# KiCad board uw-rs485_hat.kicad_pcb
date: 3 feb 2015
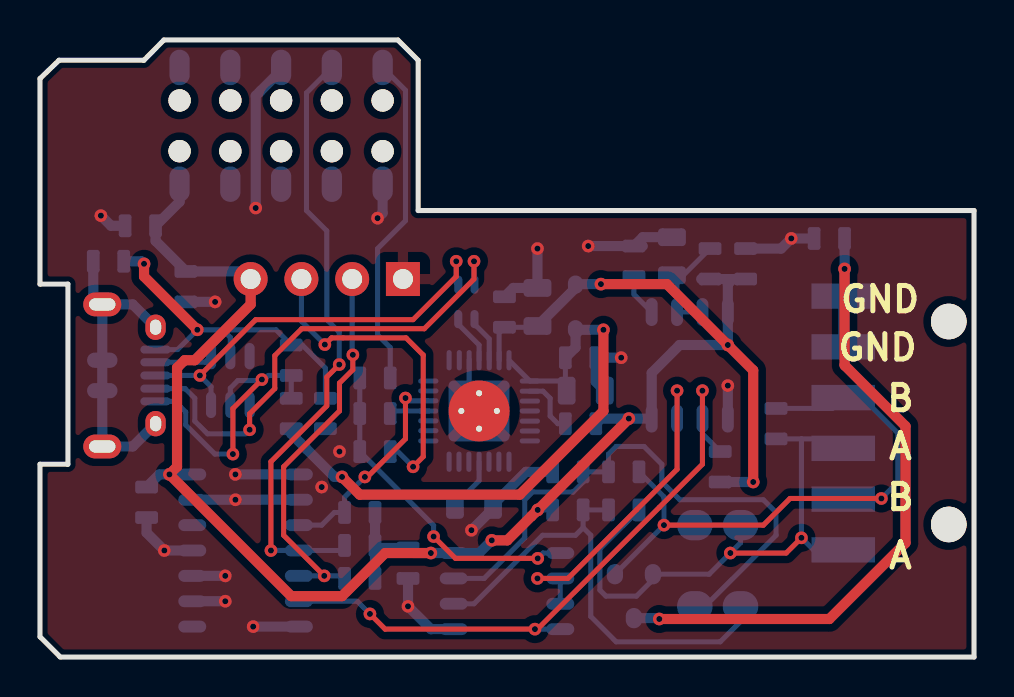
[diagram p0: board, top side]
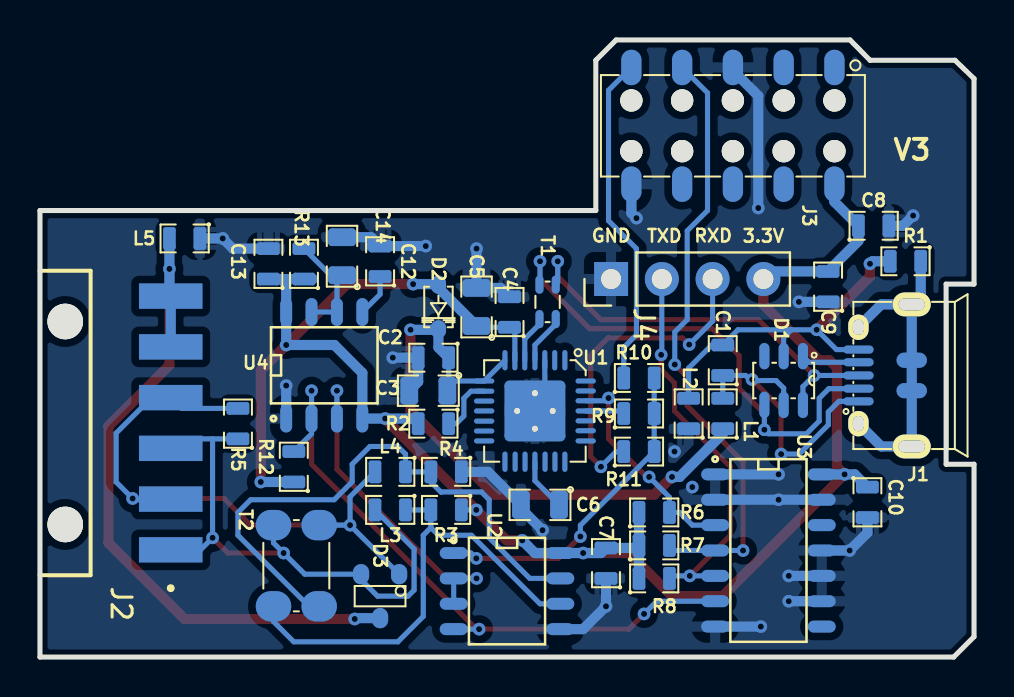
[diagram p1: board, bottom side, seen from below]

Outline 46.74 x 30.89 mm; copper layers: Front, Back. Coordinates in mm from the lower left corner of the outline.
Outline path: 0,28.96 0,18.67 1.4,18.67 1.4,9.65 0,9.65 0,1.02 1.02,0 46.74,0 46.74,22.35 18.92,22.35 18.92,29.88 17.91,30.89 6.2,30.89 5.2,29.88 0.95,29.88 0,28.96

## Placement (name value [footprint] x y rotation side)
C1  22pF/50V  [SM0603C]  12.57 14.86 90 bottom
C2  100nF/50V  [SM0603C]  27.05 14.99 0 bottom
C3  10uF/16V  [SM0805C]  27.3 13.34 0 bottom
C4  100nF/50V  [SM0603C]  23.24 17.27 90 bottom
C5  10uF/16V  [SM0805C]  24.89 17.53 90 bottom
C6  10uF/16V/DNP  [SM0805C]  21.72 7.62 0 bottom
C7  100nF/50V  [SM0603C]  18.42 4.7 90 bottom
C8  100nF/50V  [SM0603C]  5.02 21.59 180 bottom
C9  100nF/50V  [SM0603C]  7.3 18.54 90 bottom
C10  100nF/50V  [SM0603C]  5.33 7.75 270 bottom
C12  100nF/50V  [SM0603C]  29.72 19.81 90 bottom
C13  100nF/50V  [SM0603C]  35.31 19.69 90 bottom
C14  10nF/50V  [SM0805C]  31.62 20.07 90 bottom
D1  TVS_5V  [SOT23-6L]  9.53 13.84 90 bottom
D2  CUS08F30-H3F  [SOD323]  26.8 17.53 90 bottom
D3  SM712  [SOT23-3]  29.72 3.05 90 bottom
J1  USB-Micro  [usb-MicroXNJ]  3.12 14.1 180 bottom
J2  Conn_01x06_Male  [SAMTEC_TSM-106-01-T-SH-A]  45.47 11.72 90 bottom
J3  Raspberry-Pi_2x5-Pin_Header  [con-WR-PHD-61031021821]  12.07 26.59 270 bottom
J4  Conn_01x04  [PinHeader_1x04_P2.54mm_Vertical]  18.16 18.92 90 bottom
L1  Bead_300R  [SM0603L]  12.57 12.19 90 bottom
L2  Bead_300R  [SM0603L]  14.28 12.19 90 bottom
L3  Bead_300R/DNP  [SM0603L]  29.21 7.37 0 bottom
L4  Bead_300R/DNP  [SM0603L]  29.21 9.27 0 bottom
L5  Bead_300R  [SM0603L]  39.5 20.95 0 bottom
R1  10k  [SM0603]  3.43 19.81 0 bottom
R2  4k7  [SM0603]  27.05 11.68 0 bottom
R3  10k  [SM0603]  26.42 7.37 0 bottom
R4  10k  [SM0603]  26.42 9.27 0 bottom
R5  100R  [SM0603]  36.83 11.68 90 bottom
R6  10k  [SM0603]  16 7.24 180 bottom
R7  10k  [SM0603]  16 5.59 180 bottom
R8  10k  [SM0603]  16 3.94 180 bottom
R9  1k  [SM0603]  16.76 12.19 180 bottom
R10  1k  [SM0603]  16.76 13.97 180 bottom
R11  1k  [SM0603]  16.76 10.29 180 bottom
R12  10k  [SM0603]  34.04 9.53 90 bottom
R13  2K  [SM0603]  33.53 19.69 90 bottom
T1  CM_Choke_90R  [tr-smd-WE-CNSW_0805]  21.34 17.78 270 bottom
T2  CM_Choke_51uH  [tr-smd-WE-CNSW_1812]  33.91 4.57 90 bottom
U1  CP2102  [QFN28_5x5_P0.5mm_ppad]  21.97 12.32 0 bottom
U2  TP8485E  [SO8_4x5_P1.27mm]  23.37 3.3 270 bottom
U3  74HC11D  [SO14_4x9_P1.27mm]  10.29 5.33 270 bottom
U4  TLC555IDR  [SO8_4x5_P1.27mm]  32.51 14.6 180 bottom

## Library data of the parts
C1 = -: Digikey: 1276-1023-1-ND; LCSC: C1653; Manufacturer: Samsung; PartNumber: CL10C220JB8NNNC; Power: _; Tolerance: 5%
C2 C4 C7-C10 C12 C13 = -: Digikey: 1276-6854-1-ND; LCSC: C307348; Manufacturer: Samsung; PartNumber: CL10B104KB8WPNC; Power: _; Tolerance: 10%
C3 C5 C6 = -: Digikey: 1276-2872-1-ND; LCSC: C95841; Manufacturer: Samsung; PartNumber: CL21B106KOQNNNE; Power: _; Tolerance: 10%
C14 = -: Power: _; Tolerance: 10%
D1 = -: Digikey: !1727-2751-1-ND; LCSC: C558417; Manufacturer: Tech_Public; PartNumber: TPIP4220CZ6; Power: _; Tolerance: _
D2 = -: Digikey: CUS08F30H3FCT-ND; LCSC: C150183; Manufacturer: Toshiba; Power: 0.8A; Tolerance: _
D3 = -: Digikey: !F6450CT-ND; LCSC: C293966; Manufacturer: DOWO; Power: 400W; Tolerance: _
J1 = -: Digikey: !732-5961-1-ND; LCSC: C404969; Manufacturer: Shou_Han; PartNumber: MicroXNJ; Power: 1.8A; Tolerance: _
J3 = -: Digikey: _; LCSC: C261072; Manufacturer: Boomele; PartNumber: C261072; Power: _; Tolerance: _
J4 = -: Digikey: _; LCSC: C124413; Manufacturer: Ckmtw; PartNumber: B-2200S04P-A120; Power: 3A; Tolerance: _
L1-L5 = -: Digikey: !732-1592-1-ND; LCSC: C139165; Manufacturer: Guangdong_Fenghua_Advanced_Tech; PartNumber: CBM160808U301T; Power: 1.5A; Tolerance: 25%
R1 R3 R4 R6-R8 R12 = -: Digikey: 311-10.0KHRCT-ND; LCSC: C98220; Manufacturer: Yageo; PartNumber: RC0603FR-0710KL; Power: 1/10W; Tolerance: 1%
R2 = -: Digikey: 311-4.70KHRCT-ND; LCSC: C99782; Manufacturer: Yageo; PartNumber: RC0603FR-074K7L; Power: 1/10W; Tolerance: 1%
R5 = -: Digikey: 311-100HRCT-ND; LCSC: C105588; Manufacturer: Yageo; PartNumber: RC0603FR-07100RL; Power: 1/10W; Tolerance: 1%
R9-R11 = -: Digikey: 311-1.00KHRCT-ND; LCSC: C21190; Manufacturer: Uniroyal_Elec; PartNumber: 0603WAF1001T5E; Power: 1/10W; Tolerance: 1%
R13 = -: Power: 1/10W; Tolerance: 1%
T1 = -: Digikey: !732-3198-1-ND; LCSC: C54888; Manufacturer: Sunlord; PartNumber: SDCW2012-2-900TF; Power: 0.37A; Tolerance: _
T2 = -: Digikey: !732-7290-1-ND; LCSC: C369764; Manufacturer: Sunlord; PartNumber: ACW4532B-2-510TF; Power: 0.23A; Tolerance: _
U1 = -: Digikey: 336-1160-1-ND; LCSC: C6568; Manufacturer: Silabs; PartNumber: CP2102-GMR; Power: _; Tolerance: _
U2 = -: Digikey: !MAX485ESA+TCT-ND; LCSC: C94206; Manufacturer: 3Peak; PartNumber: TP8485E-SR; Power: _; Tolerance: _
U3 = -: Digikey: 296-14830-1-ND; LCSC: C7643; Manufacturer: Texas_Instruments; PartNumber: SN74HC11DR; Power: _; Tolerance: _
U4 = -: Digikey: 296-1337-1-ND; LCSC: C6987; Manufacturer: Texas_Instruments; Power: _; Tolerance: _

## Footprints (pads in the part's own frame, mm; a bottom-side part is the same pattern mirrored in y, then rotated)
con-WR-PHD-61031021821
  round 1.118 hole 1.118 unplated: (-1.27,-5.08) (-1.27,-2.54) (-1.27,0) (-1.27,2.54) (-1.27,5.08) (1.27,-5.08) (1.27,-2.54) (1.27,0) (1.27,2.54) (1.27,5.08)
  oval 1.778x1.016 smd: 1(-2.921,5.08) 2(2.921,5.08) 3(-2.921,2.54) 4(2.921,2.54) 5(-2.921,0) 6(2.921,0) 7(-2.921,-2.54) 8(2.921,-2.54) 9(-2.921,-5.08) 10(2.921,-5.08)
PinHeader_1x04_P2.54mm_Vertical
  rect 1.7x1.7 hole 1: 1(0,0)
  oval 1.7x1.7 hole 1: 2(0,-2.54) 3(0,-5.08) 4(0,-7.62)
QFN28_5x5_P0.5mm_ppad
  oval 0.254x1.016 smd: 1(-1.499,-2.54) 2(-0.991,-2.54) 3(-0.495,-2.54) 4(0,-2.54) 5(0.508,-2.54) 6(1.003,-2.54) 7(1.499,-2.54) 15(1.499,2.54) 16(0.991,2.54) 17(0.495,2.54) 18(0,2.54) 19(-0.508,2.54) 20(-1.003,2.54) 21(-1.499,2.54)
  oval 1.016x0.254 smd: 8(2.54,-1.499) 9(2.54,-0.991) 10(2.54,-0.495) 11(2.54,0) 12(2.54,0.508) 13(2.54,1.003) 14(2.54,1.499) 22(-2.54,1.499) 23(-2.54,0.991) 24(-2.54,0.495) 25(-2.54,0) 26(-2.54,-0.508) 27(-2.54,-1.003) 28(-2.54,-1.499)
  rect 0.762x0.762 smd: 29(-0.889,-0.889) 29(-0.889,0.889) 29(0,0) 29(0.889,-0.889) 29(0.889,0.889)
  round 0.61 hole 0.305: 29(-0.889,0) 29(0,-0.889) 29(0,0.889) 29(0.889,0)
  oval 3.048x0.508 smd: 29(0,-1.27) 29(0,1.27)
  rect 3.048x2.54 smd: 29(0,0)
  round 3.048 smd far side: 29(0,0)
SAMTEC_TSM-106-01-T-SH-A
  round 1.78 hole 1.78 unplated: (-5.08,0) (5.08,0)
  rect 1.27x3.18 smd: 1(-6.35,-5.28) 2(-3.81,-5.28) 3(-1.27,-5.28) 4(1.27,-5.28) 5(3.81,-5.28) 6(6.35,-5.28)
SM0603
  oval 0.635x0.254 smd: 1(-0.762,-0.445) 1(-0.762,0.445) 2(0.762,-0.445) 2(0.762,0.445)
  rect 0.635x0.889 smd: 1(-0.762,0) 2(0.762,0)
SM0603C
  oval 0.635x0.254 smd: 1(-0.762,-0.445) 1(-0.762,0.445) 2(0.762,-0.445) 2(0.762,0.445)
  rect 0.635x0.889 smd: 1(-0.762,0) 2(0.762,0)
SM0603L
  oval 0.635x0.254 smd: 1(-0.762,-0.445) 1(-0.762,0.445) 2(0.762,-0.445) 2(0.762,0.445)
  rect 0.635x0.889 smd: 1(-0.762,0) 2(0.762,0)
SM0805C
  oval 0.889x0.381 smd: 1(-0.953,-0.508) 1(-0.953,0.508) 2(0.953,-0.508) 2(0.953,0.508)
  rect 0.889x1.016 smd: 1(-0.953,0) 2(0.953,0)
SO8_4x5_P1.27mm
  oval 0.599x1.4 smd: 1(-1.905,-2.667) 2(-0.635,-2.667) 3(0.635,-2.667) 4(1.905,-2.667) 5(1.905,2.667) 6(0.635,2.667) 7(-0.635,2.667) 8(-1.905,2.667)
SO14_4x9_P1.27mm
  oval 0.599x1.4 smd: 1(-3.81,-2.667) 2(-2.54,-2.667) 3(-1.27,-2.667) 4(0,-2.667) 5(1.27,-2.667) 6(2.54,-2.667) 7(3.81,-2.667) 8(3.81,2.667) 9(2.54,2.667) 10(1.27,2.667) 11(0,2.667) 12(-1.27,2.667) 13(-2.54,2.667) 14(-3.81,2.667)
SOD323
  oval 0.914x0.762 smd: 1(1.118,0) 2(-1.118,0)
SOT23-3
  oval 1.016x0.813 smd: 1(1.1,-0.953) 2(1.1,0.953) 3(-1.1,0)
SOT23-6L
  oval 1.321x0.508 smd: 1(1.219,-0.965) 2(1.219,0) 3(1.219,0.965) 4(-1.219,0.965) 5(-1.219,0) 6(-1.219,-0.965)
tr-smd-WE-CNSW_0805
  oval 0.914x0.406 smd: 1(-0.864,0.406) 2(0.864,0.406) 3(0.864,-0.406) 4(-0.864,-0.406)
tr-smd-WE-CNSW_1812
  oval 1.524x1.778 smd: 1(-2.032,1.143) 2(2.032,1.143) 3(2.032,-1.143) 4(-2.032,-1.143)
usb-MicroXNJ
  oval 1.524x0.406 smd: 1(-2.667,-1.295) 2(-2.667,-0.66) 3(-2.667,0) 4(-2.667,0.66) 5(-2.667,1.295)
  oval 1.016x1.27 hole 0.559x0.762: 6(-2.667,-2.413) 6(-2.667,2.413)
  oval 1.905x1.194 hole 1.321x0.61: 6(0,-3.556) 6(0,3.556)
  oval 1.524x0.762 smd: 6(0,-0.762) 6(0,0.762)

## Nets
+3.3V: C4.1 C5.1 C7.2 C8.1 C9.2 C10.1 C13.1 D2.1 J3.2 J4.4 R2.2 R3.1 R6.1 R7.1 R8.1 R12.1 R13.1 U1.6 U2.8 U3.14 U4.4 U4.8
+5V: C2.1 C3.1 D2.2 L1.1 U1.7 U1.8
GND: C2.2 C3.2 C4.2 C5.2 C6.2 C7.1 C8.2 C9.1 C10.2 C12.2 C13.2 C14.2 J3.5 J3.10 J4.1 L2.1 L5.1 R4.1 U1.3 U1.29 U2.5 U3.1 U3.2 U3.7 U3.9 U3.10 U3.11 U3.13 U4.1
/A: D3.2 J2.1 J2.3 L3.2 R5.1 T2.2
/B: D3.1 J2.2 J2.4 L4.2 R5.2 T2.3
/RS485A: L3.1 R3.2 T2.1 U2.6
/RS485B: L4.1 R4.2 T2.4 U2.7
/RXD: R9.2 R10.2 R11.2 U2.1
/RXDA: J4.3 R11.1
/RXDR: J3.9 R10.1
/RXDU: R9.1 U1.25
/TXD: R12.2 U2.4 U3.6 U4.2
/TXDA: J4.2 R8.2 U3.5
/TXDR: J3.7 R7.2 U3.4
/TXDU: R6.2 U1.26 U3.3
/TXEN: U2.2 U2.3 U4.3
/USB_DM: T1.3 U1.5
/USB_DP: T1.2 U1.4
/~{RST}: R2.1 U1.9
Net-(C1-Pad1): C1.1 D1.5 J1.1 L1.2
Net-(C1-Pad2): C1.2 D1.2 J1.5 L2.2 R1.2
Net-(C6-Pad1): C6.1 U1.18
Net-(C12-Pad1): C12.1 U4.5
Net-(C14-Pad1): C14.1 R13.2 U4.6 U4.7
Net-(D1-Pad1): D1.1 J1.4
Net-(D1-Pad4): D1.4 J1.2 T1.4
Net-(D1-Pad6): D1.6 J1.3 T1.1
Net-(D3-Pad3): D3.3 J2.5 J2.6 L5.2
Net-(J1-Pad6): J1.6 R1.1

Pads without a net: D1 3; J3 1 3 4 6 8; U1 1 2 10 11 12 13 14 15 16 17 19 20 21 22 23 24 27 28; U3 8 12

## Via types
v1: diameter 0.635, hole 0.305, Front to Back, 58 vias

## Routing (per net, layer and track width the routed paths; a pad name or vN(x,y) marks a point on that pad's centre or on a via; arc(x,y) is an arc through that point)
+3.3V: length 99.3
  Front w0.508: v1(29.46,11.94) 29.46,11.93 24.58,7.04 ; 24.58,7.04 v1(24.9,7.37) ; 24.58,7.04 23.38,5.84 v1(22.61,5.84) ; v1(19.56,5.21) 17.27,5.21 15.11,3.05 12.57,3.05 v1(6.48,9.14) 6.86,9.53 6.86,14.48 7.24,14.86 7.75,14.86 10.54,17.65 J4.4 ; v1(35.69,8.76) 35.69,14.35 v1(34.42,15.62) 31.37,18.67 v1(28.07,18.67)
  Back w0.254: C5.1 24.83,16.51 C4.1 22.97,16.24 22.97,14.86 ; R3.1 v1(24.9,7.37)
  Back w0.508: J3.2 6.98,22.79 C8.1 5.78,20.83 7.31,19.3 ; 34.67,18.92 34.42,18.67 U4.8 v1(34.42,15.62) 32,15.62 30.61,14.22 U4.4 v1(29.46,11.94) 28.07,11.94 R2.2 ; 34.67,18.92 C13.1 ; 34.67,18.92 R13.1 ; C9.2 10.16,19.3 J4.4 ; R6.1 R8.1 ; C5.1 26.8,18.48 D2.1 26.82,18.67 v1(28.07,18.67) ; R12.1 v1(35.69,8.76) ; v1(22.61,5.84) 21.97,5.21 U2.8 18.67,5.21 C7.2 16.89,5.46 R7.1 ; C10.1 5.97,9.14 v1(6.48,9.14) U3.14
+5V: length 31
  Front w0.508: v1(15.11,9.02) 16,8.13 24,8.13 28.19,12.32 v1(28.19,16.38)
  Back w0.254: 23.47,14.86 U1.8 26.33,13.82 C3.1 ; C3.1 26.29,13.4 C2.1
  Back w0.508: v1(28.19,16.38) 26.82,16.38 D2.2 26.8,15.49 C2.1 ; v1(15.11,9.02) 14.73,9.02 12.57,11.18 L1.1
GND: length 57.7
  Back w0.254: U1.29 21.48,13.7 21.48,14.86
  Back w0.508: C12.2 v1(27.43,20.57) ; U2.5 19.56,1.4 v1(18.42,2.54) C7.1 ; v1(29.08,14.99) C2.2 27.81,13.78 C3.2 ; U3.2 v1(9.78,7.87) U3.13 ; v1(21.59,6.35) 22.67,7.43 C6.2 24.32,9.27 R4.1 ; C14.2 30.16,21.02 C12.2 ; v1(24.89,20.45) C5.2 23.69,18.48 C4.2 ; v1(10.79,22.48) 10.79,28.1 12.07,29.37 J3.5 ; v1(3.05,22.1) 3.56,21.59 C8.2 ; v1(16.89,21.97) 17.14,22.22 J3.10 ; U3.9 v1(9.27,2.79) ; C10.2 5.33,6.22 v1(6.22,5.33) U3.11 ; C13.2 37.08,20.45 v1(37.59,20.95) L5.1 ; U3.10 v1(9.27,4.06) ; U3.7 v1(10.67,1.52) ; U3.1 v1(9.78,9.14) ; U4.1 v1(34.42,13.59) ; 7.75,17.78 v1(8.76,17.78)
  vias: v1(14.1,8.51) v1(14.99,10.29)
/A: length 28.9
  Front w0.254: v1(34.54,5.21) 37.34,5.21 v1(38.1,5.97)
  Back w0.254: 35.05,6.6 35.05,5.72 33.48,4.15 D3.2 30.67,3.87 29.85,3.05 28.32,3.05 28.02,3.35 28.02,5.41 L3.2 ; 38.1,10.92 39.72,10.92 J2.3 ; 38.1,10.92 R5.1 ; 38.1,10.92 v1(38.1,5.97) 38.7,5.37 J2.1
/B: length 31.8
  Front w0.254: v1(31.22,6.6) 36.19,6.6 37.53,7.94 v1(42.1,7.94)
  Back w0.254: v1(31.22,6.6) 31.22,8.02 L4.2 ; v1(31.22,6.6) T2.3 ; v1(31.22,6.6) D3.1 ; R5.2 39.65,12.45 J2.4 41.15,12.99 42.93,11.21 42.93,8.76 v1(42.1,7.94) 42.04,7.87 40.23,7.87 J2.2
/RS485A: length 24
  Back w0.254: 27.18,6.48 27.56,6.1 27.56,2.03 28.83,0.76 34.04,0.76 35.05,1.78 35.05,2.54 ; 27.18,6.48 R3.2 L3.1 ; 27.18,6.48 26.8,6.1 25.15,6.1 21.72,2.67 U2.6
/RS485B: length 29.4
  Back w0.254: T2.4 33.27,2.54 36.83,6.1 36.83,7.24 36.19,7.87 32.01,7.87 31.11,8.77 31.11,9.65 30.23,10.54 28.83,10.54 28.45,10.16 L4.1 R4.2 27.18,8.76 26.67,8.25 26.66,8.27 24.65,8.27 24.26,7.87 24.26,5.97 22.22,3.94 U2.7
/RXD: length 16.4
  Front w0.254: v1(19.7,6.03) 20.79,4.94 v1(24.91,4.94)
  Back w0.254: v1(24.91,4.94) 25.17,5.21 U2.1 ; R10.2 R9.2 R11.2 19.7,6.59 v1(19.7,6.03)
/RXDA: length 16.4
  Front w0.254: v1(14.25,15.64) 14.59,15.98 18.32,15.98 19.18,15.12 19.18,10.03 v1(18.67,9.53)
  Back w0.254: J4.3 13.08,16.81 v1(14.25,15.64) ; R11.1 17.91,10.29 v1(18.67,9.53)
/RXDR: length 16.9
  Back w0.254: J3.9 18.29,28.37 18.29,21.84 16.89,20.45 16.89,16.13 17.53,15.49 R10.1
/RXDU: length 2
  Back w0.254: R9.1 17.65,12.32 U1.25
/TXD: length 32.6
  Front w0.254: v1(33.15,13.34) 33.15,9.65 24.89,1.4 v1(24.76,1.4) 17.27,1.4 v1(16.51,2.16)
  Back w0.254: v1(24.76,1.4) U2.4 ; R12.2 33.15,11.18 U4.2 v1(33.15,13.34) ; U3.6 15.87,2.79 v1(16.51,2.16)
/TXDA: length 19.6
  Front w0.254: v1(14.22,4.06) 12.19,6.1 12.19,9.53 14.99,12.32 14.99,13.72 15.66,14.39 v1(15.66,15.13)
  Back w0.254: 15.62,19.05 15.62,15.16 v1(15.66,15.13) ; U3.5 v1(14.22,4.06) 15.11,4.06 R8.2
/TXDR: length 30.6
  Front w0.254: v1(14.97,14.64) 14.35,14.02 14.35,12.57 11.56,9.78 v1(11.56,5.33)
  Back w0.254: v1(11.56,5.33) U3.4 14.99,5.33 R7.2 ; v1(14.97,14.64) 14.97,16.27 14.35,16.89 14.35,21.34 13.33,22.35 13.33,28.24 J3.7
/TXDU: length 10.8
  Front w0.254: v1(18.29,12.97) 18.29,10.92 16.38,9.02 v1(16.26,9.02)
  Back w0.254: U3.3 14.1,6.6 14.73,7.24 R6.2 15.24,8 v1(16.26,9.02) ; v1(18.29,12.97) 18.43,12.83 U1.26
/TXEN: length 17
  Front w0.254: v1(24.89,3.94) 26.42,3.94 31.88,9.4 v1(31.88,13.34)
  Back w0.254: U4.3 v1(31.88,13.34) ; U2.3 U2.2 v1(24.89,3.94)
/USB_DM: length 2.4
  Back w0.254: 22.48,14.86 22.48,15.93 21.74,16.66 T1.3
/USB_DP: length 2.5
  Back w0.254: T1.2 20.93,16.66 21.97,15.62 21.97,14.86
/~{RST}: length 3
  Back w0.254: R2.1 25.91,11.68 25.53,12.06 25.53,12.95 25.17,13.31 U1.9
Net-(C1-Pad1): length 15
  Front w0.254: v1(9.65,10.16) 9.65,12.44 v1(11.1,13.89)
  Back w0.254: J1.1 6.76,12.8 7.29,12.27 7.29,11.62 8.75,10.16 v1(9.65,10.16) ; D1.5 9.53,13.46 9.91,13.84 11.18,13.84 11.43,14.1 C1.1 L1.2
Net-(C1-Pad2): length 18.2
  Front w0.508: v1(7.87,16.38) 5.21,19.05 v1(5.21,19.69)
  Back w0.254: J1.5 6.88,15.39 v1(7.87,16.38) 9.14,16.38 ; L2.2 14.28,14.46 13.12,15.62 C1.2 11.81,16.38 9.14,16.38 ; D1.2 9.53,16 9.14,16.38
  Back w0.508: R1.2 5.08,19.81 v1(5.21,19.69)
Net-(C6-Pad1): length 2.7
  Back w0.254: C6.1 21.97,8.83 U1.18
Net-(C12-Pad1): length 2.1
  Back w0.254: C12.1 29.72,18.16 U4.5
Net-(C14-Pad1): length 5.7
  Back w0.254: U4.7 U4.6 31.88,18.86 C14.1 32.19,19.11 R13.2
Net-(D1-Pad1): length 2.9
  Back w0.254: J1.4 8.25,14.76 D1.1
Net-(D1-Pad4): length 25.5
  Front w0.254: v1(10.49,11.38) 10.49,12.18 11.75,13.44 11.75,15.09 13.1,16.43 19.23,16.43 21.72,18.92 v1(21.72,19.81)
  Back w0.254: D1.4 v1(10.49,11.38) 10.29,11.18 8.38,11.18 7.75,11.81 7.75,12.95 7.26,13.44 J1.2 ; v1(21.72,19.81) 21.72,18.67 T1.4
Net-(D1-Pad6): length 20.8
  Front w0.254: v1(20.83,19.81) 20.83,19.05 18.67,16.89 10.79,16.89 v1(8,14.1)
  Back w0.254: v1(20.83,19.81) 20.83,18.75 T1.1 ; D1.6 8.56,13.54 v1(8,14.1) J1.3
Net-(D3-Pad3): length 35.6
  Front w0.508: v1(40.26,19.43) 40.26,14.6 43.31,11.56 43.31,5.72 39.5,1.91 v1(30.99,1.91)
  Back w0.508: L5.2 v1(40.26,19.43) 40.26,18.13 J2.6 J2.5 ; v1(30.99,1.91) 30.94,1.95 D3.3
Net-(J1-Pad6): length 15.7
  Back w0.508: J1.6 4.64,10.54 J1.6 J1.6 3.12,17.65 ; 3.12,17.65 4.64,17.65 J1.6 ; 3.12,17.65 2.67,18.1 R1.1

## Copper pours and planes (outline as drawn; the poured copper is in the pictures)
GND on Front, Back: 47.75,-1.65 -0.51,-1.65 -0.51,30.61 47.75,30.61

## Text on the board
B.Silkscreen: 3.3V | RXD | TXD | GND | V3
User.Eco1: J4 | PWR | J8 | TP14 | J1 | TP11 | RUN | TP1 | GLOBAL_EN | TP12 | TP7 | J2 | TP15 | TP13 | J6 | TP8 | J13 | J3 | TP9 | TP5 | TP2 | TP4 | J7 | TP22 | TP24 | J14 | TP3 | TP23 | TP17 | TP10 | TP6 | TP34 | J10 | J11 | J12 | TP18 | TP26 | TP27 | J5 | ACT | PoE | TP20 | TP19 | FCC ID: 2ABCB-RPI4B | IC: 20953-RPI4B | GPIO | Made in the UK | ETHERNET | USB3 | USB2 | DISPLAY | POWER IN | HDMI0 | HDMI1 | CAMERA | A/V | Proant AB | Licensed From | Uses Technology | MICRO SD CARD | Raspberry Pi 4 Model B | c Raspberry Pi 2018 | PCB MADE | PCB-R4 | IN P.R.C.
F.Silkscreen: GND | B | A
